# Altium PCB Antenny_v6.PcbDoc (part 2 of 2)
Units mil, origin at the board's own origin, x right, y up, seen from the top; angles counter-clockwise.
Board outline 3580.22 x 1713.89 mil, 2 copper layers (Top Layer, Bottom Layer); 81 components, 117 nets, 397 pads, 191 vias.
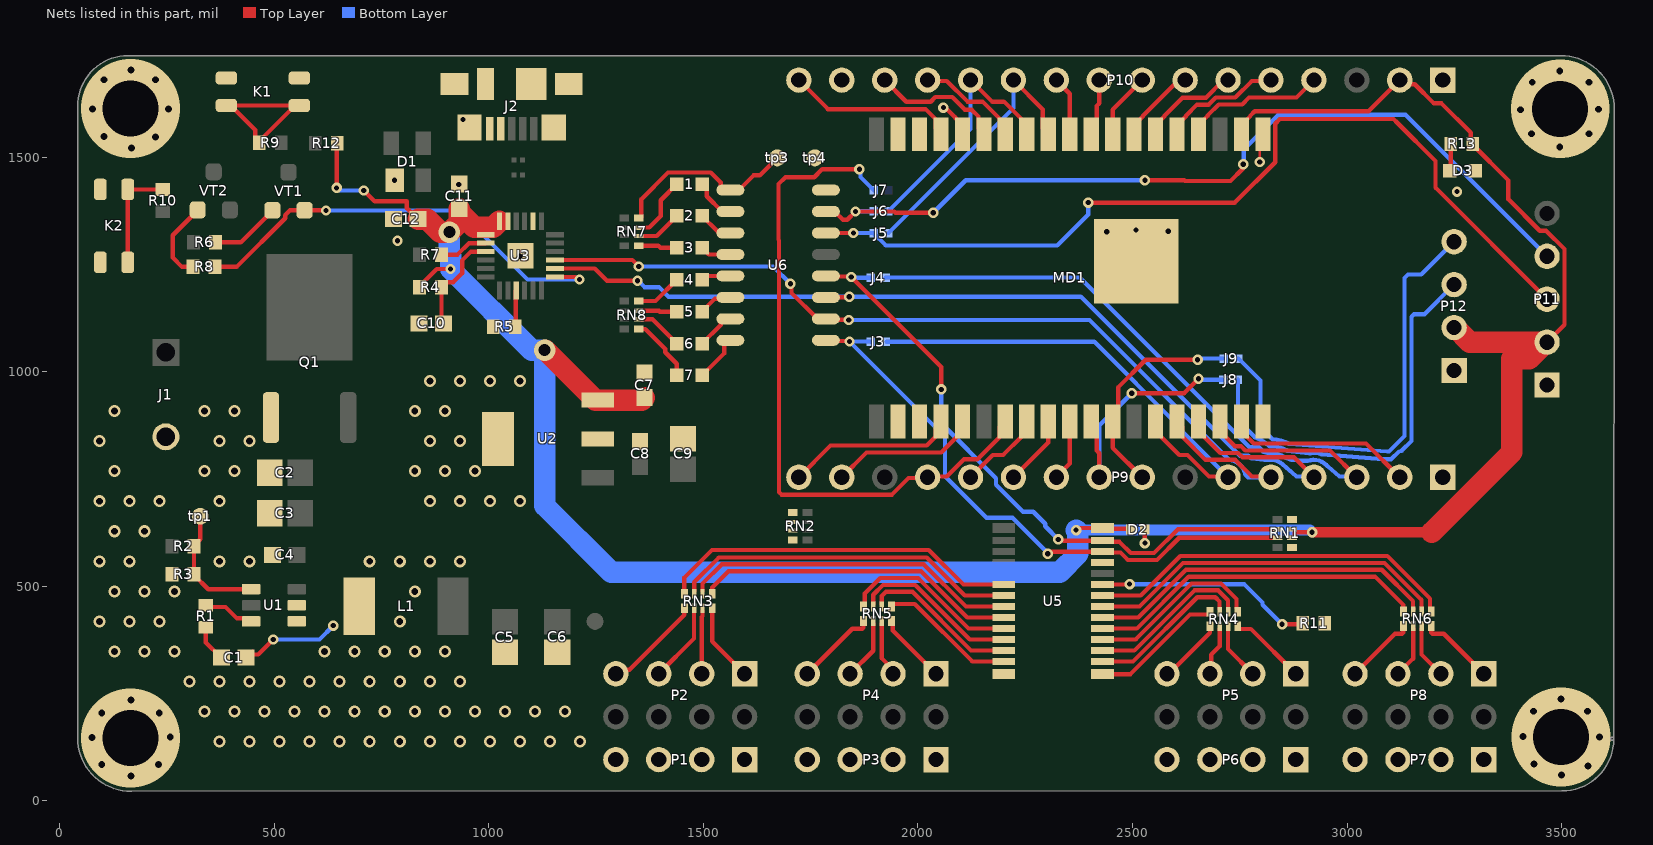
[diagram p2: the nets of this part, all layers, seen from the top]

## Via types
v1: diameter 28, hole 16, Top Layer to Bottom Layer, 122 vias
v2: diameter 24, hole 12, Top Layer to Bottom Layer, 61 vias
v3: diameter 230, hole 130, Top Layer to Bottom Layer, 4 vias
v4: diameter 50, hole 28, Top Layer to Bottom Layer, 4 vias

## Nets (pads, with @x,y where several pads share a name; then routed paths per layer and width w, separated by ;. In a path a pad name is that pad's centre, name@x,y a point inside that pad or via, vN(x,y) a via of type N, cw(c..) or ccw(c..) an arc to the next point about the centre after c; other vN are vias at no path point) (continued)
GND: C2.2 C3.2 C4.2 C5.2 C6.2 C7.2 C8.2 C9.2 C10.2 C11.2 C12.2 D1.1 D2.1 D3.1 J1.2 J2.4 J2.5 J2.6 J2.7 J2.8 J2.9 J2.10 J2.11 K1.1 K1.3 K2.1 K2.3 MD1.1 MD1.15 MD1.38 MD1.39 P1.1 P1.2 P1.3 P1.4 P3.1 P3.2 P3.3 P3.4 P6.1 P6.2 P6.3 P6.4 P7.1 P7.2 P7.3 P7.4 P9.1 P10.1 P10.15 P11.1 P12.1 Q1.1 R3.1 R5.2 R11.1 RN1.1 RN1.4 RN2.1 RN2.2 RN2.3 RN2.4 tp4.1 U1.1 U2.2 U2.4 U3.2 U3.25 U5.14 U5.25 U6.8 | length 1009.1
  Top Layer w6: v2(2796.26,1488.19) 2796.26,1545.67 MD1.1@2803.54,1552.95
  Top Layer w10: v1(76.77,1612.2) 164.37,1612.2 v3(165.35,1613.19) ; v3(165.35,146.65) 166.34,145.67 v1(166.34,58.07) ; v2(930.12,1436.02) C11.2@931.1,1437.04 ; v2(939.96,1587.6) 955.49,1572.07 J2.7@955.49,1568.86 ; v2(1072.83,1268.7) U3.25@1073.9,1269.74 ; v2(2059.06,1615.16) 2061.73,1612.48 2066.66,1612.48 2086.7,1592.44 2086.7,1591.45 2103.54,1574.61 MD1.15@2103.54,1552.95 ; MD1.39@2436.02,1329.92 2436.02,1329.72 v2(2439.96,1325.79) ; v2(2528.54,600.39) D2.1@2528.54,631.89 ; MD1.39@2580.51,1329.92 v2(2583.19,1327.24) ; v1(3435.28,85.47) 3498.03,148.23 v3(3498.03,148.62) 3500.24,146.42 v3@3500.24,129.09 ; v1(3499.25,59.88) v3@3499.25,129.09 ; v3@3499.84,148.46 v1(3587.83,148.46)
  Bottom Layer w10: v1(3434.06,208.66) 3494.09,148.62 v3(3498.03,148.62) ; v1(3498.03,237.2) v3(3498.03,148.62) ; v3@3504.69,136.97 3505.83,136.97 v1(3561.26,81.54) ; v1(3560.04,208.66) 3558.07,208.66 v3(3498.03,148.62)
  other v1: 98.43,84.65 230.32,84.65 372.68,138.15 442.68,138.15 512.68,138.15 582.68,138.15 652.68,138.15 722.68,138.15 792.68,138.15 862.68,138.15 932.68,138.15 1002.68,138.15 1072.68,138.15 1142.68,138.15 1212.68,138.15 75.79,147.64 257.87,148.62 3409.45,149.61 98.43,204.72 232.28,204.72 337.68,208.15 407.68,208.15 477.68,208.15 547.68,208.15 617.68,208.15 687.68,208.15 757.68,208.15 827.68,208.15 897.68,208.15 967.68,208.15 1037.68,208.15 1107.68,208.15 1177.68,208.15 166.34,235.24 302.68,278.15 372.68,278.15 442.68,278.15 512.68,278.15 582.68,278.15 652.68,278.15 722.68,278.15 792.68,278.15 862.68,278.15 932.68,278.15 127.68,348.15 197.68,348.15 267.68,348.15 617.68,348.15 687.68,348.15 757.68,348.15 827.68,348.15 897.68,348.15 92.68,418.15 162.68,418.15 232.68,418.15 792.68,418.15 127.68,488.15 197.68,488.15 267.68,488.15 827.68,488.15 92.68,558.15 162.68,558.15 372.68,558.15 442.68,558.15 722.68,558.15 792.68,558.15 862.68,558.15 932.68,558.15 127.68,628.15 197.68,628.15 92.68,698.15 162.68,698.15 232.68,698.15 372.68,698.15 862.68,698.15 932.68,698.15 1002.68,698.15 1072.68,698.15 127.68,768.15 337.68,768.15 407.68,768.15 827.68,768.15 897.68,768.15 967.68,768.15 92.68,838.15 372.68,838.15 442.68,838.15 862.68,838.15 932.68,838.15 127.68,908.15 337.68,908.15 407.68,908.15 827.68,908.15 897.68,908.15 862.68,978.15 932.68,978.15 1002.68,978.15 1072.68,978.15 167.32,1520.67 3495.08,1523.62 223.43,1546.26 103.35,1548.23 3429.13,1554.13 3562.99,1554.13 3403.54,1610.24 3585.63,1611.22 253.94,1612.2 3431.1,1674.21 3562.99,1674.21 103.35,1680.12 223.43,1680.12 3495.08,1700.79 166.34,1702.76
  other v2: 787.4,1305.12 2508.27,1329.92 3255.91,1419.29 780.51,1445.87
  other v3: 3496.06,1612.2
I2C_SCL: J5.2 P11.3 U6.6 | length 2093.4
  Top Layer w10: U6.6@1785.43,1323.03 1785.53,1322.93 1849.31,1322.93 v2(1849.41,1322.83) ; v2(2396.65,1393.7) 2738.19,1393.7 2832.26,1487.77 2832.26,1577.69 2843.16,1588.58 3107.67,1588.58 3116.52,1579.72 3205.55,1490.7 3205.55,1428.7 P11.3@3465.55,1168.7
  Bottom Layer w10: v2(1849.41,1322.83) 1896.13,1322.83 1896.75,1322.21 1925.16,1293.8 2324.31,1293.8 2396.65,1366.14 v2(2396.65,1393.7)
I2C_SCL2: J3.2 RN1.7 U5.26 U6.1 | length 1385.7
  Top Layer w10: U6.1@1785.43,1073.03 1786.99,1071.48 1839.17,1071.48 v2(1840.32,1070.33) ; v2(2302.17,575.79) 2305.95,575.79 2310.88,580.71 U5.26@2430.12,580.71 ; U5.26@2432.11,578.72 2471.69,578.72 2489.02,561.39 2556.71,561.39 2608.5,613.19 RN1.7@2831.69,613.19
  Bottom Layer w10: v2(1840.32,1070.33) v2@1840.54,1070.11 ; J3.2@1890.48,1069.88 1890.26,1070.11 v2@1840.54,1070.11 ; v2(2302.17,575.79) 2302.17,577.76 2220.42,659.5 2159.56,659.5 2062.97,756.09 2062.97,847.68 v2@1840.54,1070.11
I2C_SCL4: J8.2 P12.3 | length 960.8
  Bottom Layer w10: J8.2@2745.61,981.3 2745.61,886.28 2784.49,847.4 2800.92,839.82 2816.57,828.39 2819.3,826.4 cw(c2822.44,753.94) 2860.13,815.91 2911.99,809.88 2914.3,809.88 cw(c2922.44,753.94) 2939.91,807.7 3084.59,796.12 3102.21,796.12 3121.12,813.75 3126.94,815.92 3149.61,838.58 3149.61,1128 3155.46,1133.86 3180.12,1133.86 P12.3@3249.02,1202.76
I2C_SDA: J6.2 P11.4 U6.7 | length 1998.4
  Top Layer w10: U6.7@1785.43,1373.03 1805.84,1373.03 1825.13,1353.74 1835.04,1353.74 v2(1854.33,1373.03) 1944.74,1373.03 1947.7,1370.08 v2(2035.43,1370.08) ; v2(2528.54,1445.87) 2620.05,1445.87 2621.79,1444.13 2727.97,1444.13 2756.73,1472.89 2756.73,1482.12 v2(2757.87,1483.27)
  Bottom Layer w10: v2(1854.33,1373.03) 1854.82,1373.52 1896.88,1373.52 J6.2@1897.37,1374.02 ; v2(2035.43,1370.08) 2111.22,1445.87 v2(2528.54,1445.87) ; v2(2757.87,1483.27) 2759.02,1484.42 2759.02,1517.88 2839.57,1598.43 3135.83,1598.43 P11.4@3465.55,1268.7
I2C_SDA2: J4.2 RN1.6 U5.27 U6.4 | length 1471.2
  Top Layer w10: U6.4@1785.43,1223.03 1786.84,1221.62 1843.34,1221.62 v2(1844.49,1220.47) 2054.13,1010.83 v2(2054.13,958.66) ; v2(2326.77,609.25) 2329.45,606.57 2339.14,606.57 2339.42,606.3 U5.27@2430.12,606.3 2432.99,603.43 2469.61,603.43 2495.64,577.39 2550.08,577.39 2605.56,632.87 RN1.6@2831.69,632.87
  Bottom Layer w10: v2@1846.11,1220.47 1848.08,1218.5 J4.2@1890.48,1218.5 ; v2(2054.13,958.66) 2054.13,879.56 2181.91,751.78 2181.91,736.39 2244.91,673.4 2268.53,673.4 2296.31,645.62 2296.31,639.71 v2(2326.77,609.25)
I2C_SDA4: J9.2 P12.4 | length 1064.7
  Bottom Layer w10: J9.2@2746.6,1030.51 2797.82,979.29 2797.82,870.49 2823.23,845.08 2825.91,842.4 cw(c2822.44,753.94) 2864.97,831.58 3092.98,814.04 3097.5,814.04 3133.61,850.14 3133.61,1218.3 3141.68,1226.38 3172.64,1226.38 P12.4@3249.02,1302.76
IO2: MD1.24 P9.15 | length 348.1
  Top Layer w10: P9.15@1822.44,753.94 1880.3,811.79 2054.32,811.79 2090.83,848.3 2090.83,870.94 MD1.24@2103.54,883.66
IO4: J7.1 MD1.26 P9.13 | length 1597.6
  Top Layer w10: v2(1863.46,1471.51) 1776.72,1471.51 1758.13,1452.92 1691.11,1452.92 1675.2,1437.01 1675.2,1307.09 1676.18,1306.1 1676.18,719.27 1682.04,713.41 1939.23,713.41 1977.91,752.09 2020.6,752.09 P9.13@2022.44,753.94 2024.28,755.78 2066.97,755.78 2106.98,795.79 2138.32,795.79 2190.83,848.3 2190.83,870.94 MD1.26@2203.54,883.66
  Bottom Layer w10: v2(1863.46,1471.51) 1866.14,1468.83 1866.14,1453.47 J7.1@1897.37,1422.24
IO5: MD1.29 P9.10 | length 142.6
  Top Layer w10: P9.10@2322.44,753.94 2322.44,754.7 2353.54,785.81 MD1.29@2353.54,883.66
IO12: MD1.14 P10.14 | length 309.2
  Top Layer w10: P10.14@1922.44,1679.13 1972.64,1628.94 2029.56,1628.94 2040.39,1639.76 2079.77,1639.76 2109.3,1610.24 2125,1610.24 2140.83,1594.41 2140.83,1565.67 MD1.14@2153.54,1552.95
IO13: MD1.16 P10.16 | length 396.6
  Top Layer w10: P10.16@1722.44,1679.13 1790.04,1611.53 2017.61,1611.53 2040.83,1588.31 2040.83,1565.67 MD1.16@2053.54,1552.95
IO14: MD1.13 P10.13 | length 246.6
  Top Layer w10: P10.13@2022.44,1679.13 2024.28,1677.29 2066.97,1677.29 2115.23,1629.03 2150.11,1629.03 2190.83,1588.31 2190.83,1565.67 MD1.13@2203.54,1552.95
IO15: MD1.23 P9.16 | length 398.1
  Top Layer w10: P9.16@1722.44,753.94 1796.3,827.79 2020.32,827.79 2040.83,848.3 2040.83,870.94 MD1.23@2053.54,883.66
IO16: MD1.27 P9.12 | length 198.1
  Top Layer w10: P9.12@2122.44,753.94 2174.32,805.81 2198.34,805.81 2240.83,848.3 2240.83,870.94 MD1.27@2253.54,883.66
IO17: MD1.28 P9.11 | length 163.3
  Top Layer w10: P9.11@2222.44,753.94 2303.54,835.04 MD1.28@2303.54,883.66
IO18: J8.1 MD1.30 P9.9 | length 593
  Top Layer w10: MD1.30@2403.54,883.66 2416.26,870.94 2416.26,816.03 2422.44,809.85 P9.9@2422.44,753.94 ; v2(2498.03,949.8) 2620.08,949.8 v2(2653.54,983.27)
  Bottom Layer w10: P9.9@2422.44,753.94 2422.44,874.21 v2(2498.03,949.8) ; v2(2653.54,983.27) 2655.51,981.3 J8.1@2711.61,981.3
IO19: J9.1 MD1.31 P9.8 | length 517.4
  Top Layer w10: P9.8@2522.44,753.94 2453.54,822.83 2453.54,905.31 2466.26,918.03 2466.26,963.31 2530.51,1027.56 v2(2651.57,1027.56)
  Bottom Layer w10: v2(2651.57,1027.56) 2654.53,1030.51 J9.1@2712.6,1030.51
IO21: J3.1 MD1.33 P9.6 | length 1164.1
  Top Layer w10: MD1.33@2553.54,883.66 2566.26,870.94 2566.26,848.3 2608.75,805.81 2627.88,805.81 2677.91,755.78 2720.6,755.78 P9.6@2722.44,753.94
  Bottom Layer w10: J3.1@1927.43,1069.88 2410.48,1069.88 2606.99,873.37 2606.99,869.39 P9.6@2722.44,753.94
IO22: J4.1 MD1.36 P9.3 | length 1670.4
  Top Layer w10: MD1.36@2703.54,883.66 2716.26,870.94 2716.26,848.3 2738.1,826.46 2752.48,826.46 2762.48,816.47 2959.91,816.47 P9.3@3022.44,753.94
  Bottom Layer w10: J4.1@1924.48,1218.5 1925.46,1219.49 2376.97,1219.49 2772.64,823.82 2794.29,823.82 2804.72,813.39 2814.08,810.4 2819.3,810.4 ; 2819.3,810.4 2819.43,810.4 2819.67,810.4 cw(c2822.44,753.94) 2854.57,800.44 2870.63,793.94 2897.26,792.34 2907.96,792.34 2914.34,793.65 cw(c2922.44,753.94) 2950.96,782.73 2954.78,778.95 2982.06,755.78 3020.6,755.78 P9.3@3022.44,753.94
IO23: MD1.37 P9.2 | length 435.9
  Top Layer w10: MD1.37@2753.54,883.66 2766.26,870.94 2766.26,848.3 2782.09,832.47 3043.91,832.47 P9.2@3122.44,753.94
IO25: MD1.10 P10.10 | length 139.1
  Top Layer w10: P10.10@2322.44,1679.13 2322.44,1678.37 2353.54,1647.26 MD1.10@2353.54,1552.95
IO26: J5.1 MD1.11 P10.11 | length 636.6
  Top Layer w10: P10.11@2222.44,1679.13 2290.83,1610.75 2290.83,1565.67 MD1.11@2303.54,1552.95
  Bottom Layer w10: J5.1@1931.37,1322.83 2222.44,1613.91 P10.11@2222.44,1679.13
IO27: J6.1 MD1.12 P10.12 | length 580.9
  Top Layer w10: P10.12@2122.44,1679.13 2122.63,1679.13 2172.74,1629.03 2200.11,1629.03 2240.83,1588.31 2240.83,1565.67 MD1.12@2253.54,1552.95
  Bottom Layer w10: J6.1@1931.37,1374.02 2122.44,1565.09 P10.12@2122.44,1679.13
IO32: MD1.8 P10.8 | length 154.7
  Top Layer w10: MD1.8@2453.54,1552.95 2453.54,1610.24 P10.8@2522.44,1679.13
IO33: MD1.9 P10.9 | length 134
  Top Layer w10: MD1.9@2403.54,1552.95 2416.26,1565.67 2416.26,1618.81 2422.44,1624.99 P10.9@2422.44,1679.13
IO34: MD1.6 P10.6 | length 234.4
  Top Layer w10: MD1.6@2553.54,1552.95 2553.54,1574.61 2574.83,1595.89 2574.83,1596.88 2616.08,1638.13 2670.82,1638.13 2711.83,1679.13 P10.6@2722.44,1679.13
IO35: MD1.7 P10.7 | length 184.4
  Top Layer w10: MD1.7@2503.54,1552.95 2503.54,1574.61 2524.83,1595.89 2524.83,1596.88 2597.7,1669.75 2613.05,1669.75 P10.7@2622.44,1679.13
LED0: RN3.8 U5.6 | length 836.3
  Top Layer w10: RN3.8@1455.71,488.19 1455.71,520.31 1520.04,584.65 2025.22,584.65 2105.93,503.94 U5.6@2199.8,503.94
LED1: RN3.7 U5.7 | length 803.1
  Top Layer w10: RN3.7@1478.35,488.19 1478.46,488.31 1478.46,509.36 1536.08,566.98 2020.26,566.98 2108.89,478.35 U5.7@2199.8,478.35
LED2: RN3.6 U5.8 | length 779.1
  Top Layer w10: RN3.6@1498.03,488.19 1498.15,488.31 1498.15,506.42 1542.71,550.98 2013.63,550.98 2111.86,452.76 U5.8@2199.8,452.76
LED3: RN3.5 U5.9 | length 748.5
  Top Layer w10: RN3.5@1520.67,488.19 1520.67,497.24 1558.41,534.98 2007,534.98 2114.82,427.17 U5.9@2199.8,427.17
LED4: RN5.8 U5.10 | length 412.6
  Top Layer w10: RN5.8@1873.03,458.86 1876.1,461.93 1876.1,482.98 1912.11,518.98 2000.37,518.98 2117.78,401.57 U5.10@2199.8,401.57
LED5: RN5.7 U5.11 | length 387.4
  Top Layer w10: RN5.7@1895.67,458.86 1895.79,458.98 1895.79,480.03 1918.74,502.98 1993.75,502.98 2120.75,375.98 U5.11@2199.8,375.98
LED6: RN5.6 U5.12 | length 363.3
  Top Layer w10: RN5.6@1915.35,458.86 1915.47,458.98 1915.47,477.09 1925.36,486.98 1987.12,486.98 2123.71,350.39 U5.12@2199.8,350.39
LED7: RN5.5 U5.13 | length 317.3
  Top Layer w10: RN5.5@1937.99,458.86 1992.62,458.86 2126.67,324.8 U5.13@2199.8,324.8
LED8: RN4.8 U5.15 | length 317.8
  Top Layer w10: U5.15@2430.12,295.28 2494.94,295.28 2633.8,434.13 2677.05,434.13 2680.12,437.2 RN4.8@2680.12,446.26
LED9: RN4.7 U5.16 | length 356.9
  Top Layer w10: U5.16@2430.12,324.8 2501.14,324.8 2650.72,474.39 2692.75,474.39 2702.64,464.49 2702.64,446.38 RN4.7@2702.76,446.26
LED10: RN4.6 U5.17 | length 380.9
  Top Layer w10: U5.17@2430.12,350.39 2504.1,350.39 2644.09,490.39 2699.37,490.39 2722.32,467.44 2722.32,446.38 RN4.6@2722.44,446.26
LED11: RN4.5 U5.18 | length 406.2
  Top Layer w10: U5.18@2430.12,375.98 2507.06,375.98 2637.46,506.39 2706,506.39 2742.01,470.38 2742.01,449.33 RN4.5@2745.08,446.26
LED12: RN6.8 U5.19 | length 787.3
  Top Layer w10: U5.19@2430.12,401.57 2510.03,401.57 2630.84,522.39 3064.62,522.39 3130.91,456.1 RN6.8@3130.91,447.05
LED13: RN6.7 U5.20 | length 817.9
  Top Layer w10: U5.20@2430.12,427.17 2512.99,427.17 2624.21,538.39 3080.32,538.39 3153.43,465.28 3153.43,447.17 RN6.7@3153.54,447.05
LED14: RN6.6 U5.21 | length 842
  Top Layer w10: U5.21@2430.12,452.76 2515.95,452.76 2617.58,554.39 3086.95,554.39 3173.11,468.22 3173.11,447.17 RN6.6@3173.23,447.05
LED15: RN6.5 U5.22 | length 867.3
  Top Layer w10: U5.22@2430.12,478.35 2518.92,478.35 2610.95,570.39 3093.58,570.39 3192.8,471.17 3192.8,450.12 RN6.5@3195.87,447.05
Net1_1: 1.1 U6.10 | length 102.8
  Top Layer w10: 1.1@1497.05,1437 1507.8,1426.26 1507.8,1408.54 1543.31,1373.03 U6.10@1562.99,1373.03
Net1_2: 1.2 RN7.7 | length 146.2
  Top Layer w10: RN7.7@1355.51,1335.63 1355.63,1335.75 1373.75,1335.75 1400.49,1362.5 1400.49,1399.51 1.2@1437.99,1437
Net2_1: 2.1 U6.11 | length 82.4
  Top Layer w10: 2.1@1497.05,1362.69 1533.73,1326.01 1560.01,1326.01 U6.11@1562.99,1323.03
Net2_2: 2.2 RN7.6 | length 101.8
  Top Layer w10: RN7.6@1355.51,1315.94 1391.24,1315.94 2.2@1437.99,1362.69
Net3_1: 3.1 U6.12 | length 72.3
  Top Layer w10: 3.1@1497.05,1288.38 1512.4,1273.03 U6.12@1562.99,1273.03
Net3_2: 3.2 RN7.5 | length 84.5
  Top Layer w10: RN7.5@1355.51,1293.31 1394.98,1293.31 1399.9,1288.38 3.2@1437.99,1288.38
Net4_1: 4.1 U6.13 | length 69.7
  Top Layer w10: 4.1@1497.05,1214.07 1506.01,1223.03 U6.13@1562.99,1223.03
Net4_2: 4.2 RN8.8 | length 103.1
  Top Layer w10: RN8.8@1355.51,1164.37 1388.29,1164.37 4.2@1437.99,1214.07
Net5_1: 5.1 U6.14 | length 79.7
  Top Layer w10: 5.1@1497.05,1139.76 1527.33,1170.05 1560.01,1170.05 U6.14@1562.99,1173.03
Net5_2: 5.2 RN8.7 | length 83.3
  Top Layer w10: RN8.7@1355.51,1141.73 1396.46,1141.73 1398.43,1139.76 5.2@1437.99,1139.76
Net6_1: 6.1 U6.15 | length 94
  Top Layer w10: 6.1@1497.05,1065.45 1540.32,1108.73 1540.32,1115.83 1547.53,1123.03 U6.15@1562.99,1123.03
Net6_2: 6.2 RN8.6 | length 105.9
  Top Layer w10: RN8.6@1355.51,1122.05 1355.63,1121.93 1381.52,1121.93 6.2@1437.99,1065.45
Net7_1: 7.1 U6.16 | length 113.6
  Top Layer w10: 7.1@1497.05,991.14 1548.31,1042.4 1548.31,1065.83 1555.51,1073.03 U6.16@1562.99,1073.03
Net7_2: 7.2 RN8.5 | length 147.7
  Top Layer w10: RN8.5@1355.51,1099.41 1364.57,1099.41 1411.24,1052.73 1411.24,1045.15 1437.99,1018.4 7.2@1437.99,991.14
NetC1_1: C1.1 R1.2 | length 88.5
  Top Layer w10: R1.2@341.97,403.1 R1.2@340.55,404.53 340.55,369.06 375.95,333.66 C1.1@376.9,333.66
NetC1_2: C1.2 L1.1 U1.2 | length 256.9
  Top Layer w6: C1.2@434.06,333.66 C1.2@449.92,349.52
  Top Layer w10: C1.2@434.06,333.66 441.36,340.96 463.01,340.96 v2(498.03,375.98)
  Bottom Layer w10: v2(498.03,375.98) 605.51,375.98 v2(637.68,408.15)
NetC10_1: C10.1 R4.2 U3.9 | length 242.9
  Top Layer w10: C10.1@894.72,1112.2 889.76,1117.16 R4.2@889.76,1196.85 889.76,1198.82 899.53,1208.58 917.29,1208.58 937.95,1229.24 937.95,1258.92 958.61,1279.58 U3.9@993.13,1279.58
NetD3_2: D3.2 R13.1 | length 63.8
  Top Layer w10: D3.2@3239.17,1467.52 3241.14,1469.49 R13.1@3241.14,1530.51
NetK1_2: K1.2 K1.4 R9.1 | length 405.4
  Top Layer w10: K1.2@388.78,1620.08 K1.2@398.78,1620.08 ; K1.4@558.78,1620.08 K1.4@548.78,1620.08 ; K1.2@398.78,1620.08 K1.4@548.78,1620.08 ; K1.2@398.78,1620.08 455.79,1563.07 455.79,1543.23 R9.1@465.55,1533.46 475.32,1543.23 475.32,1546.61 K1.4@548.78,1620.08
NetK2_2: K2.2 K2.4 R10.1 | length 251.3
  Top Layer w10: K2.2@158.97,1254.57 K2.4@158.97,1424.57 159.32,1424.21 R10.1@240.16,1424.21
NetR1_1: R1.1 U1.6 | length 123
  Top Layer w10: R1.1@340.55,455.71 344.49,451.77 386.81,451.77 413.43,425.16 439.57,425.16 U1.6@446.38,418.35 ; R1.1@340.55,465.71 R1.1@341.73,464.53
NetR2_1: R2.1 R3.2 tp1.1 U1.4 | length 289.7
  Top Layer w10: tp1.1@327.68,663.15 327.68,609.53 313.27,595.12 R2.1@313.27,593.15 R3.2@313.27,528.15 313.27,526.18 346.3,493.15 U1.4@446.38,493.15
NetR5_1: R5.1 U3.15 | length 85.5
  Top Layer w10: R5.1@1062.01,1104.33 1063.15,1105.47 1063.15,1188.06 U3.15@1064.06,1188.97
NetR6_1: R6.1 VT1.1 | length 164.4
  Top Layer w10: R6.1@363.19,1301.18 422.24,1301.18 496.06,1375 VT1.1@496.06,1375.98
NetR7_2: R7.2 U3.8 | length 114.4
  Top Layer w10: R7.2@889.76,1272.64 927.17,1272.64 953.8,1299.27 U3.8@993.13,1299.27
NetR8_1: R8.1 VT2.1 | length 191.5
  Top Layer w10: R8.1@311.02,1244.09 285.43,1244.09 263.78,1265.75 263.78,1317.91 321.85,1375.98 VT2.1@321.85,1376.97
NetR11_2: R11.2 U5.23 | length 509.4
  Top Layer w10: U5.23@2430.12,503.94 2492.13,503.94 v2(2493.11,504.92) ; v2(2848.43,411.42) 2894.69,411.42 R11.2@2896.65,413.39
  Bottom Layer w10: v2(2493.11,504.92) 2759.84,504.92 2802.79,461.97 2802.79,457.05 v2(2848.43,411.42)
NetRN7_8: RN7.8 tp3.1 U6.9 | length 439.9
  Top Layer w10: RN7.8@1355.51,1358.27 1355.51,1401.58 1417.69,1463.75 1517.35,1463.75 1540.32,1440.78 1540.32,1430.23 1547.53,1423.03 U6.9@1562.99,1423.03 1582.68,1423.03 1616.87,1457.23 1631.44,1457.23 tp3.1@1672.24,1498.03
PWM0: P2.7 RN3.1 | length 225.6
  Top Layer w10: P2.7@1296.1,296.1 1305.49,305.49 1327.73,305.49 1455.71,433.46 RN3.1@1455.71,442.52
PWM1: P2.5 RN3.2 | length 180.5
  Top Layer w10: P2.5@1396.1,296.1 1478.35,378.35 RN3.2@1478.35,442.52
PWM2: P2.3 RN3.3 | length 147.2
  Top Layer w10: P2.3@1496.1,296.1 1496.1,428.58 1497.91,430.39 1497.91,442.4 RN3.3@1498.03,442.52
PWM3: P2.1 RN3.4 | length 177.7
  Top Layer w10: RN3.4@1520.67,442.52 1520.67,371.54 P2.1@1596.1,296.1
PWM4: P4.7 RN5.1 | length 184.9
  Top Layer w10: P4.7@1741.91,296.1 1846.87,401.06 1869.96,401.06 1873.03,404.13 RN5.1@1873.03,413.19
PWM5: P4.5 RN5.2 | length 139.4
  Top Layer w10: P4.5@1841.91,296.1 1895.67,349.86 RN5.2@1895.67,413.19
PWM6: P4.3 RN5.3 | length 128.1
  Top Layer w10: RN5.3@1915.35,413.19 1915.35,332.52 1941.91,305.97 P4.3@1941.91,296.1
PWM7: P4.1 RN5.4 | length 160.1
  Top Layer w10: RN5.4@1937.99,413.19 1941.06,410.12 1941.06,396.95 P4.1@2041.91,296.1
PWM8: P5.7 RN4.1 | length 148.6
  Top Layer w10: P5.7@2580.07,296.1 2584.69,296.1 2680.12,391.54 RN4.1@2680.12,400.59
PWM9: P5.5 RN4.2 | length 113.9
  Top Layer w10: P5.5@2680.07,296.1 2683.12,299.15 2683.12,340.63 2702.76,360.26 RN4.2@2702.76,400.59
PWM10: P5.3 RN4.3 | length 128.4
  Top Layer w10: RN4.3@2722.44,400.59 2722.44,353.74 P5.3@2780.07,296.1
PWM11: P5.1 RN4.4 | length 178.3
  Top Layer w10: RN4.4@2745.08,400.59 2775.59,400.59 P5.1@2880.07,296.1
PWM12: P8.7 RN6.1 | length 161.6
  Top Layer w10: P8.7@3018.24,296.1 3111.39,389.25 3127.83,389.25 3130.91,392.32 RN6.1@3130.91,401.38
PWM13: P8.5 RN6.2 | length 119.9
  Top Layer w10: P8.5@3118.24,296.1 3153.54,331.4 RN6.2@3153.54,401.38
PWM14: P8.3 RN6.3 | length 123.9
  Top Layer w10: RN6.3@3173.23,401.38 3173.23,341.11 P8.3@3218.24,296.1
PWM15: P8.1 RN6.4 | length 171.3
  Top Layer w10: RN6.4@3195.87,401.38 3195.87,392.32 3198.94,389.25 3225.09,389.25 P8.1@3318.24,296.1
RTS: R8.2 U3.19 VT1.2 | length 1034.6
  Top Layer w10: R8.2@362.2,1244.09 412.64,1244.09 525.76,1357.22 525.76,1364.58 537.17,1375.98 VT1.2@570.87,1375.98 620.58,1375.98 v2(620.96,1375.6) ; U3.19@1154.67,1220.53 1201.87,1220.53 1207.83,1214.57 v2(1211.61,1214.57)
  Bottom Layer w10: v2(620.96,1375.6) 929.52,1375.6 1090.55,1214.57 v2(1211.61,1214.57)
RXD0: MD1.34 P9.5 U3.21 U6.2 | length 2177.3
  Top Layer w10: U3.21@1154.67,1259.9 1334.59,1259.9 v2(1349.41,1245.08) ; v2(1702.76,1204.72) 1705.43,1202.05 1705.43,1183.35 1765.75,1123.03 U6.2@1785.43,1123.03 1787.24,1121.23 1837.43,1121.23 v2(1838.58,1120.08) ; MD1.34@2603.54,883.66 2616.26,870.94 2616.26,848.3 2670.1,794.46 2739.23,794.46 2777.91,755.78 2820.6,755.78 P9.5@2822.44,753.94
  Bottom Layer w10: v2(1349.41,1245.08) 1662.4,1245.08 v2(1702.76,1204.72) ; v2(1838.58,1120.08) 2399.61,1120.08 2725.32,794.36 cw(c2722.44,753.94) 2762.18,761.91 ccw(c2771.97,763.94) 2762.81,759.92 2762.87,759.8 2768.72,753.94 2771.97,753.94 P9.5@2822.44,753.94
SD0: MD1.21
SD1: MD1.22
SD2: MD1.17
SD3: MD1.18
SENSOR_VN: MD1.5 P10.5 | length 284.4
  Top Layer w10: MD1.5@2603.54,1552.95 2603.54,1574.61 2624.83,1595.89 2624.83,1596.88 2650.08,1622.13 2677.45,1622.13 2693.93,1638.61 2739.23,1638.61 2777.91,1677.29 2820.6,1677.29 P10.5@2822.44,1679.13
SENSOR_VP: MD1.4 P10.4 | length 334.4
  Top Layer w10: MD1.4@2653.54,1552.95 2653.54,1574.61 2674.83,1595.89 2674.83,1596.88 2700.55,1622.61 2755.3,1622.61 2771.3,1638.61 2881.91,1638.61 P10.4@2922.44,1679.13
TXD0: MD1.35 P9.4 U3.20 U6.3 | length 2356.1
  Top Layer w10: U3.20@1154.67,1240.21 1246.99,1240.21 1275.59,1211.61 v2(1346.46,1211.61) ; U6.3@1785.43,1173.03 1838.14,1173.03 v2(1839.74,1174.63) ; MD1.35@2653.54,883.66 2666.26,870.94 2666.26,848.3 2704.1,810.46 2745.86,810.46 2755.85,800.47 2875.91,800.47 P9.4@2922.44,753.94
  Bottom Layer w10: v2(1346.46,1211.61) 1348.08,1211.61 1362.84,1196.85 1396.65,1196.85 1418.87,1174.63 v2(1839.74,1174.63) 2379.5,1174.63 2750,804.13 2769.7,804.13 2776.44,797.39 2807.45,794.4 2820.09,794.4 cw(c2822.44,753.94) 2849.05,784.5 2882.06,755.78 2885.8,755.78 2920.6,755.78 P9.4@2922.44,753.94
VCC: C7.1 C11.1 C12.1 D2.2 MD1.2 P10.2 P11.2 P12.2 R4.1 R12.2 R13.2 RN1.2 RN1.3 U2.3 U3.5 U3.6 U3.7 U5.28 | length 6178.9
  Top Layer w10: v2(645.67,1428.15) 646.16,1428.64 646.16,1531.99 R12.2@646.65,1532.48 ; v2(708.66,1422.24) 734.25,1396.65 809.06,1396.65 809.06,1380.97 834.71,1355.31 C12.1@835.66,1355.31 ; R4.1@838.58,1196.85 838.58,1198.82 878.87,1239.11 v2(910.99,1239.11) ; v2(2368.49,630.81) 2372.28,630.81 2377.29,635.83 U5.28@2430.12,635.83 2432.09,633.86 2493.11,633.86 D2.2@2495.08,631.89 ; MD1.2@2753.54,1552.95 2753.54,1574.61 2774.83,1595.89 2774.83,1596.88 2784.55,1606.61 3049.91,1606.61 P10.2@3122.44,1679.13 3131.83,1669.75 3157.22,1669.75 3201.96,1625 3219.49,1625 3288.1,1556.39 3288.1,1532.84 R13.2@3289.37,1531.57 ; RN1.2@2877.36,613.19 RN1.3@2877.36,632.87 ; 2880.31,625.98 v2(2918.31,625.98) ; P12.2@3249.02,1102.76 P12.2@3251.47,1102.76 ; R13.2@3292.32,1530.51 3292.32,1528.54 3375.43,1445.44 3375.43,1401.51 3448.76,1328.17 3463.39,1328.17 3506.08,1285.49 3506.08,1109.23 P11.2@3465.55,1068.7
  Top Layer w25: v2(2918.31,625.98) 3197.38,625.98
  Top Layer w50: C12.1@835.66,1355.31 856.81,1355.31 887.32,1324.8 v4(908.46,1324.8) 931.1,1347.44 C11.1@931.1,1371.61 ; C11.1@931.1,1379.89 C11.1@931.1,1371.61 ; U3.6@1024.68,1350.51 1010.35,1336.17 966.54,1336.17 C11.1@931.1,1371.61 ; v4(1129.92,1050.2) 1132.2,1050.2 1248.7,933.7 U2.3@1253.82,933.7 1356.81,933.7 C7.1@1362.68,939.57 ; 3197.38,625.98 3383.86,812.46 3383.86,1029.53 3423.93,1029.53 P11.2@3463.1,1068.7 ; P12.2@3251.47,1102.76 3285.52,1068.7 P11.2@3463.1,1068.7 ; P11.2@3465.55,1068.7 P11.2@3463.1,1068.7
  Bottom Layer w10: v2(645.67,1428.15) 647.29,1428.15 653.2,1422.24 v2(708.66,1422.24)
  Bottom Layer w25: v2(2368.49,630.81) 2368.57,630.89 2913.4,630.89 v2(2918.31,625.98)
  Bottom Layer w50: v4(908.46,1324.8) 908.46,1271.65 910.99,1269.13 v2(910.99,1239.11) 1099.9,1050.2 v4(1129.92,1050.2) 1129.92,687.99 1285.43,532.48 2329.96,532.48 2372.72,575.24 2372.72,626.58 v2(2368.49,630.81)
pads on no net: MD1.32 P9.7 U1.5 U3.1 U3.10 U3.11 U3.12 U3.13 U3.14 U3.16 U3.17 U3.18 U3.22 U3.24

## Polygon pours and split planes (outlines as drawn)
GND on Top Layer "GND_L01_P007" (solid, pour order 7): 42.21,146.46 cw(c47.23,146.46) 42.25,147.04 cw(c47.23,147.64) 42.21,147.64 42.23,1617.72 cw(c159.75,1618.7) 159.75,1736.23 3497.3,1736.13 cw(c3498.28,1611.98) 3622.43,1611.98 3621.02,144.67 cw(c3617.41,144.66) 3621.02,144.7 3621.02,144.67 cw(c3499.21,143.66) 3621.03,143.67 cw(c3500.39,143.67) 3500.39,23.03 168.31,22.33 cw(c168.31,27.35) 167.83,22.36 cw(c167.36,27.33) 167.4,22.34 cw(c166.34,146.46)
+5 on Top Layer "NONET_L02_P-001" (solid, remove dead copper, pour order 1): 882.68,523.15 952.68,523.15 1232.68,803.15 1507.68,803.15 1308.07,388.15 882.68,388.15
NetC1_2 on Top Layer "NETC1_2_L01_P000" (solid, remove dead copper, pour order 0): 532.68,468.15 577.68,468.15 632.68,523.15 742.68,523.15 742.68,383.15 632.68,383.15 577.68,443.15 532.68,443.15
+12 on Top Layer "NONET_L02_P-001" (solid, pour order 2): 532.68,483.15 572.68,483.15 572.68,503.15 792.68,723.15 792.68,1202.76 532.68,1202.76 532.68,483.15 572.68,483.15 572.68,503.15
GND on Bottom Layer "GND_L02_P005" (solid, remove dead copper, pour order 5): 42.21,146.46 cw(c47.23,146.46) 42.25,147.04 cw(c47.23,147.64) 42.21,147.64 42.23,1617.72 cw(c159.75,1618.7) 159.75,1736.23 3497.3,1736.13 cw(c3498.28,1611.98) 3622.43,1611.98 3621.02,144.67 cw(c3617.41,144.66) 3621.02,144.7 3621.02,144.67 cw(c3499.21,143.66) 3621.03,143.67 cw(c3500.39,143.67) 3500.39,23.03 168.31,22.33 cw(c168.31,27.35) 167.83,22.36 cw(c167.36,27.33) 167.4,22.34 cw(c166.34,146.46)

## Other copper
Top Layer:
  pour cut-out: 1024.61,1313.98 1023.86,1313.23 1023.86,1219.7 1123.94,1219.7 1123.94,1319.78 1043.88,1319.78 1028,1305.6 1023.86,1303.89

## Silkscreen, mask and mechanical layers (free items; w line width, h text height)
Top Overlay:
  drawing of 97 lines, arcs and shapes, not listed
  text "RET Button" at 647.86,1637.92 h25
  text "14" at 1997.93,1593.74 h25
  text "34" at 2695.65,1593.74 h25
  text "SN" at 2812.77,1593.74 h25
  text "G" at 3191.02,1593.74 h25
  text "12" at 1903.44,1592.76 h25
  text "33" at 2395.45,1592.76 h25
  text "32" at 2493.87,1592.76 h25
  text "35" at 2595.25,1592.76 h25
  text "SP" at 2899.39,1592.76 h25
  text "13" at 1695.65,1591.77 h25
  text "G" at 1803.04,1591.77 h25
  text "26" at 2201.55,1591.77 h25
  text "25" at 2291.76,1591.77 h25
  text "EN" at 2994.86,1591.77 h25
  text "VCC" at 3085.71,1591.77 h25
  text "27" at 2097.22,1588.82 h25
  text "+" at 3188.46,1485.62 h25
  text "-" at 3319.36,1483.65 h25
  text "+" at 1390.23,1455.11 h25
  text "-" at 1524.09,1452.15 h25
  text "4" at 3526.13,1351.49 h25
  text "RET" at 3391.06,1323.31 h25 r90
  text "19" at 3302.7,1282.59 h25
  text "27" at 3527.11,1252.08 h25
  text "SDA4" at 3181.45,1245.45 h25 r90
  text "SDA" at 3391.06,1223.31 h25 r90
  text "18" at 3302.7,1187.12 h25
  text "26" at 3524.16,1154.64 h25
  text "SCL4" at 3181.45,1140.45 h25 r90
  text "SCL" at 3391.06,1128.31 h25 r90
  text "VCC" at 3181.45,1045.45 h25 r90
  text "+" at 23.7,1041.58 h25
  text "+" at 168.77,1037.78 h25
  text "VCC" at 3391.06,1023.31 h25 r90
  text "G" at 3181.45,965.45 h25 r90
  text "G" at 3391.06,943.31 h25 r90
  text "-" at 168.77,832.3 h25
  text "-" at 48.69,821.25 h25
  text "G" at 3216.02,811.26 h25
  text "17" at 2206.59,809.29 h25
  text "23" at 3102.14,809.29 h25
  text "4" at 2002.85,808.31 h25
  text "16" at 2103.24,808.31 h25
  text "21" at 2703.75,808.31 h25
  text "22" at 2996.83,808.31 h25
  text "14" at 1902.45,807.32 h25
  text "5" at 2306,807.32 h25
  text "2" at 1805.01,806.34 h25
  text "18" at 2402.45,806.34 h25
  text "19" at 2504.82,806.34 h25
  text "RX" at 2802.93,806.34 h25
  text "TX" at 2904.31,806.34 h25
  text "15" at 1707.57,805.35 h25
  text "7" at 2611.11,805.35 h25
  text "0" at 1281.96,350.63 h25
  text "1" at 1381.37,350.63 h25
  text "2" at 1481.76,350.63 h25
  text "3" at 1588.06,350.63 h25
  text "4" at 1723.89,350.63 h25
  text "5" at 1828.22,350.63 h25
  text "6" at 1928.61,350.63 h25
  text "7" at 2031.96,350.63 h25
  text "8" at 2565.43,350.63 h25
  text "9" at 2637.28,350.63 h25
  text "10" at 2764.66,350.63 h25
  text "11" at 2863.08,350.63 h25
  text "12" at 2989.07,350.63 h25
  text "13" at 3074.7,350.63 h25
  text "14" at 3193.79,350.63 h25
  text "15" at 3299.11,350.63 h25
  text "PWM" at 2121.14,232.52 h25
  text "+5V" at 2110.32,173.46 h25
  text "GND" at 2036.85,69.13 h25
Bottom Overlay:
  drawing of 224 lines, arcs and shapes, not listed
  text "14" at 2043.41,1594.72 h25
  text "34" at 2745.3,1594.72 h25
  text "SN" at 2862.43,1594.72 h25
  text "12" at 1948.93,1593.74 h25
  text "33" at 2445.1,1593.74 h25
  text "32" at 2543.53,1593.74 h25
  text "35" at 2644.91,1593.74 h25
  text "SP" at 2949.04,1593.74 h25
  text "13" at 1745.3,1592.76 h25
  text "G" at 1848.53,1592.76 h25
  text "26" at 2251.2,1592.76 h25
  text "25" at 2353.91,1592.76 h25
  text "EN" at 3044.51,1592.76 h25
  text "VCC" at 3160.35,1592.76 h25
  text "G" at 3241.66,1592.76 h25
  text "27" at 2146.87,1589.8 h25
  text "JUMPER / FOR / IMU" at 2181.51,1303.08 h30
  text "IMU / BNO_RESET IO4 / I2C_SDA IO27 / I2C_SCL IO26" at 1890.82,1263.47 h30
  text "JUMPER / FOR / PWM DR" at 2165.76,1098.36 h30
  text "I2C_SCL4 IO19 / I2C_SDA4 IO18" at 2787.39,1031.43 h30
  text "PWM / I2C_SDA2 IO22 /  /  / I2C_SCL2 IO21" at 1889.84,1030.21 h30
  text "JUMPER / FOR / OLED" at 2642.14,931.03 h30
  text "G" at 3235.76,812.24 h25
  text "17" at 2247.15,810.28 h25
  text "23" at 3146.87,810.28 h25
  text "4" at 2043.41,809.29 h25
  text "16" at 2143.81,809.29 h25
  text "21" at 2740.15,809.29 h25
  text "22" at 3041.56,809.29 h25
  text "14" at 1943.02,808.31 h25
  text "5" at 2346.56,808.31 h25
  text "2" at 1845.58,807.32 h25
  text "18" at 2443.02,807.32 h25
  text "19" at 2545.38,807.32 h25
  text "RX" at 2847.66,807.32 h25
  text "TX" at 2949.04,807.32 h25
  text "15" at 1748.14,806.34 h25
  text "7" at 2651.68,806.34 h25
Mechanical 13:
  lines w10: 47.23,146.46 ccw(c166.34,146.46) 167.36,27.35 ; 47.22,147.64 47.24,1617.74 cw(c159.75,1618.7) 159.75,1731.21 3497.31,1731.11 cw(c3498.28,1611.98) 3617.42,1611.98 3616.01,144.66 cw(c3500.39,143.67) 3500.39,28.05 168.31,27.35